# Altium PCB PCB.PcbDoc (part 1 of 3)
Units mm, origin at the board's own origin, x right, y up, seen from the top; angles counter-clockwise.
Board outline 241.05 x 164.34 mm, 2 copper layers (Top Layer, Bottom Layer); 689 components, 0 nets, 4401 pads, 0 vias.
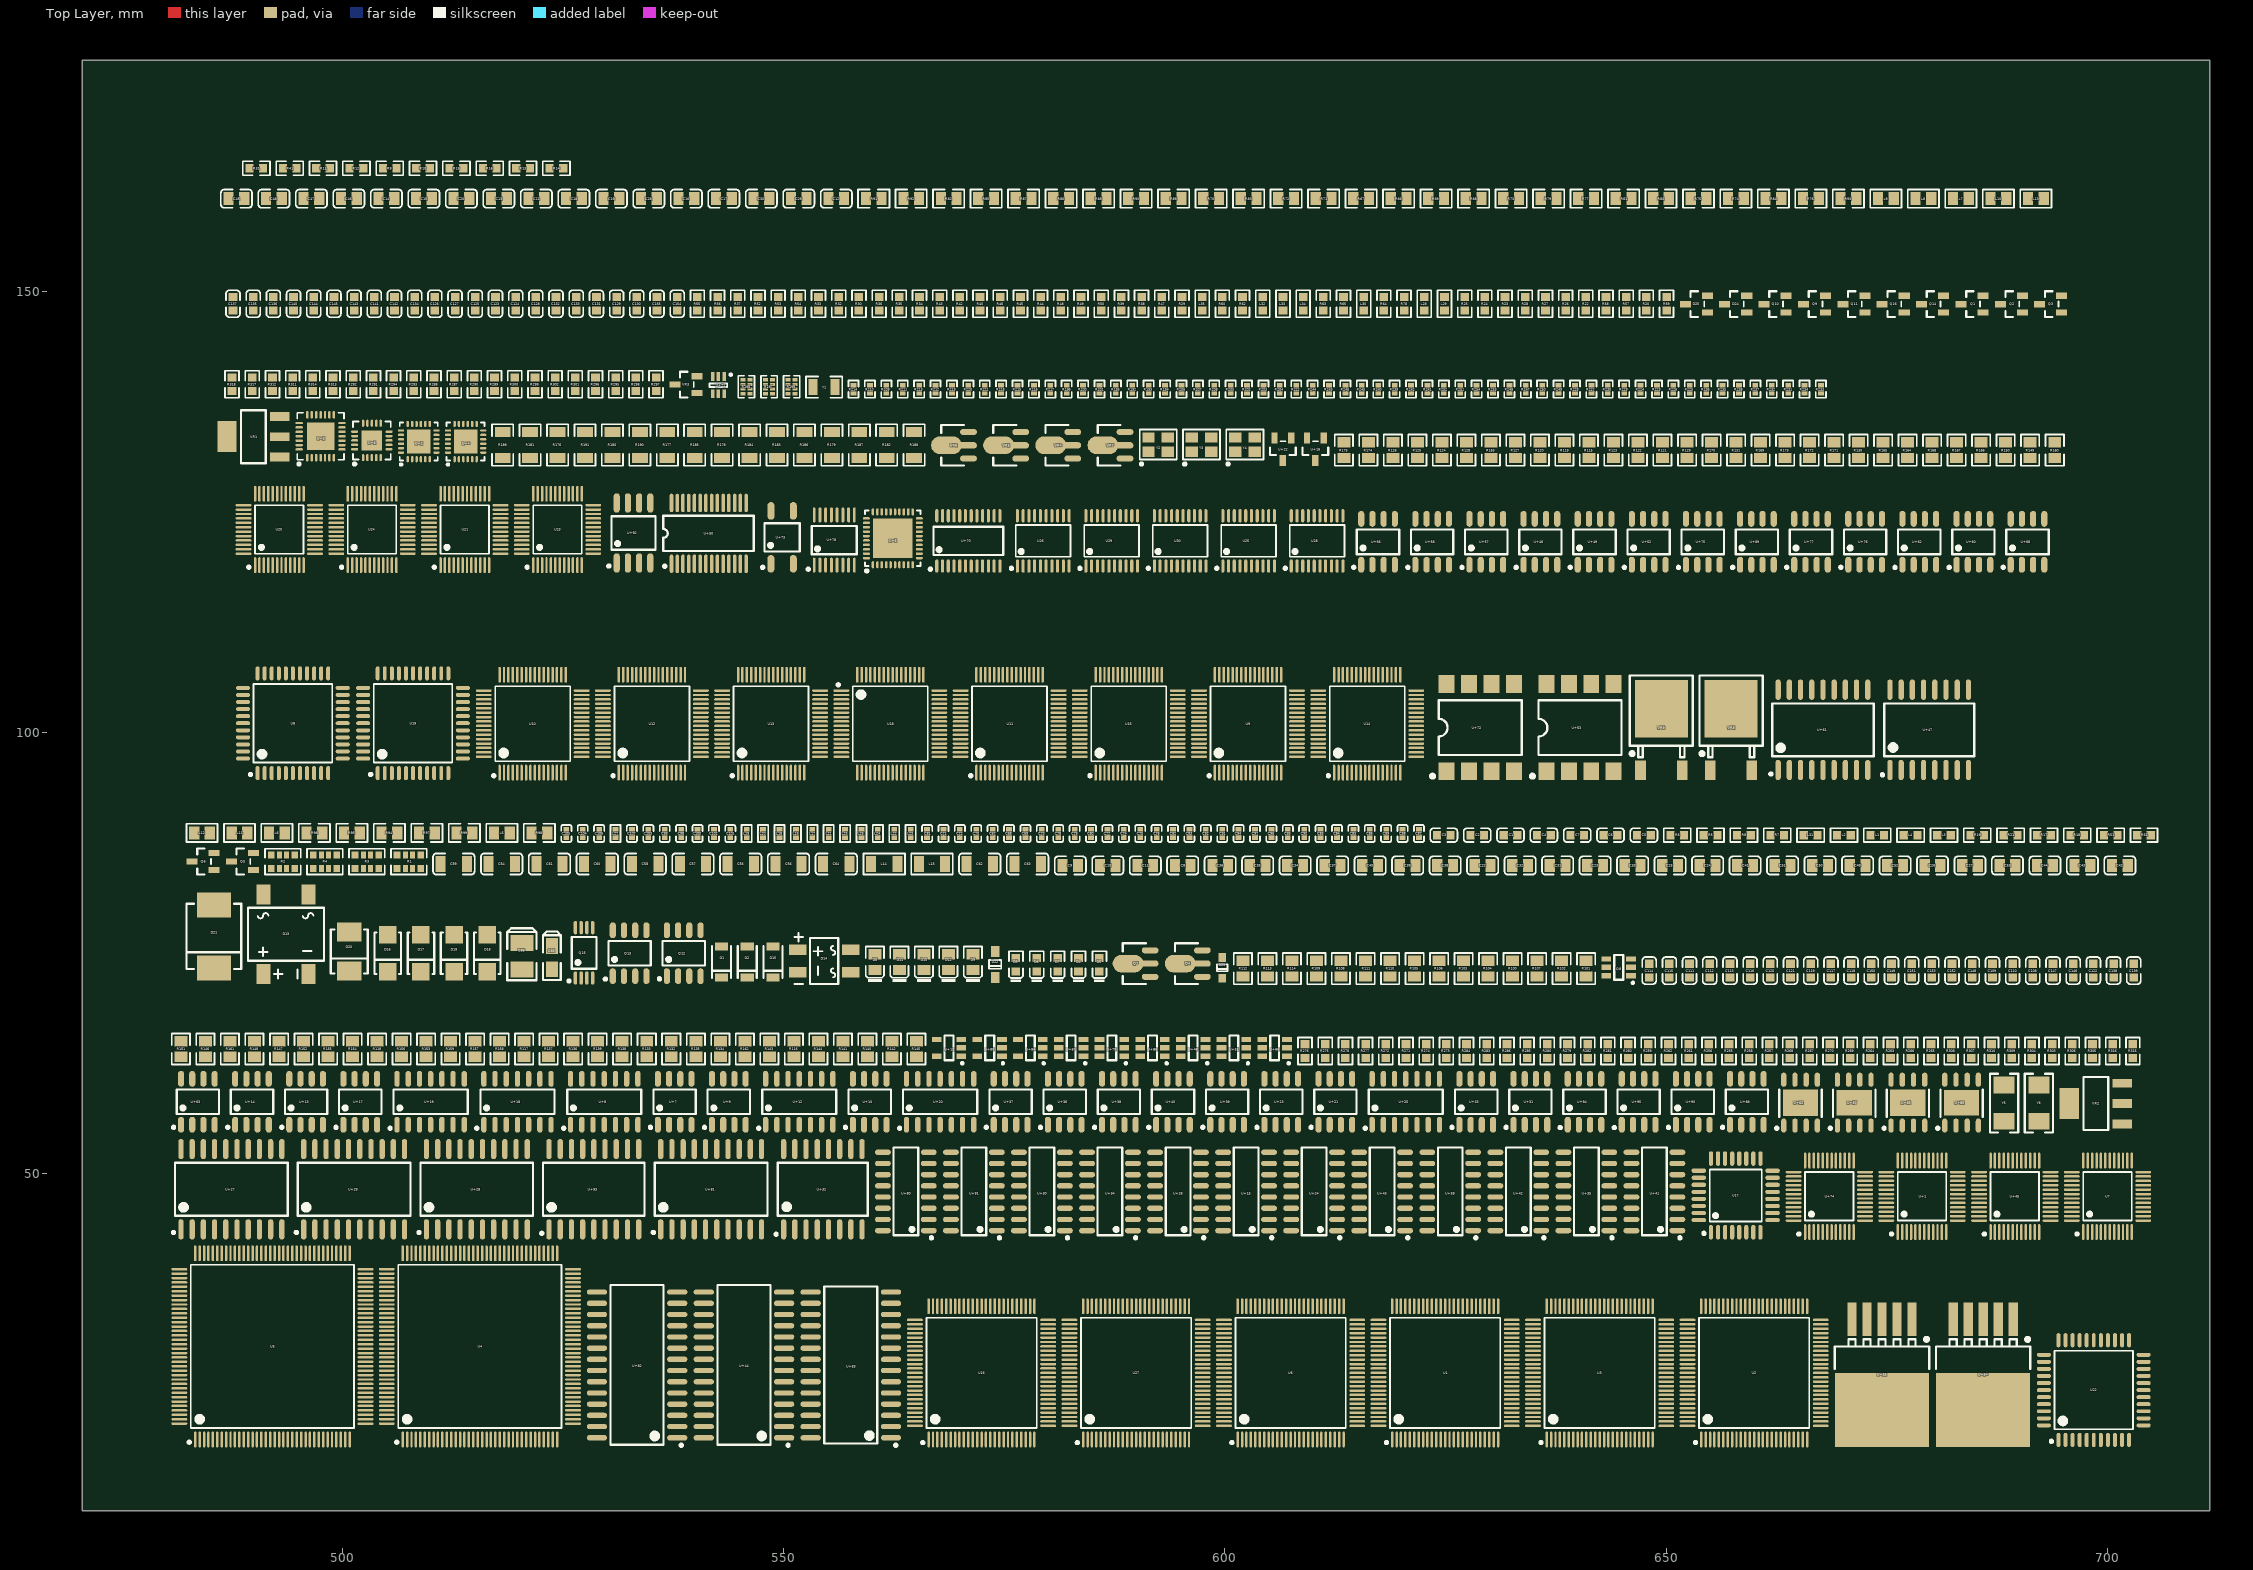
[diagram p0: Top Layer view]
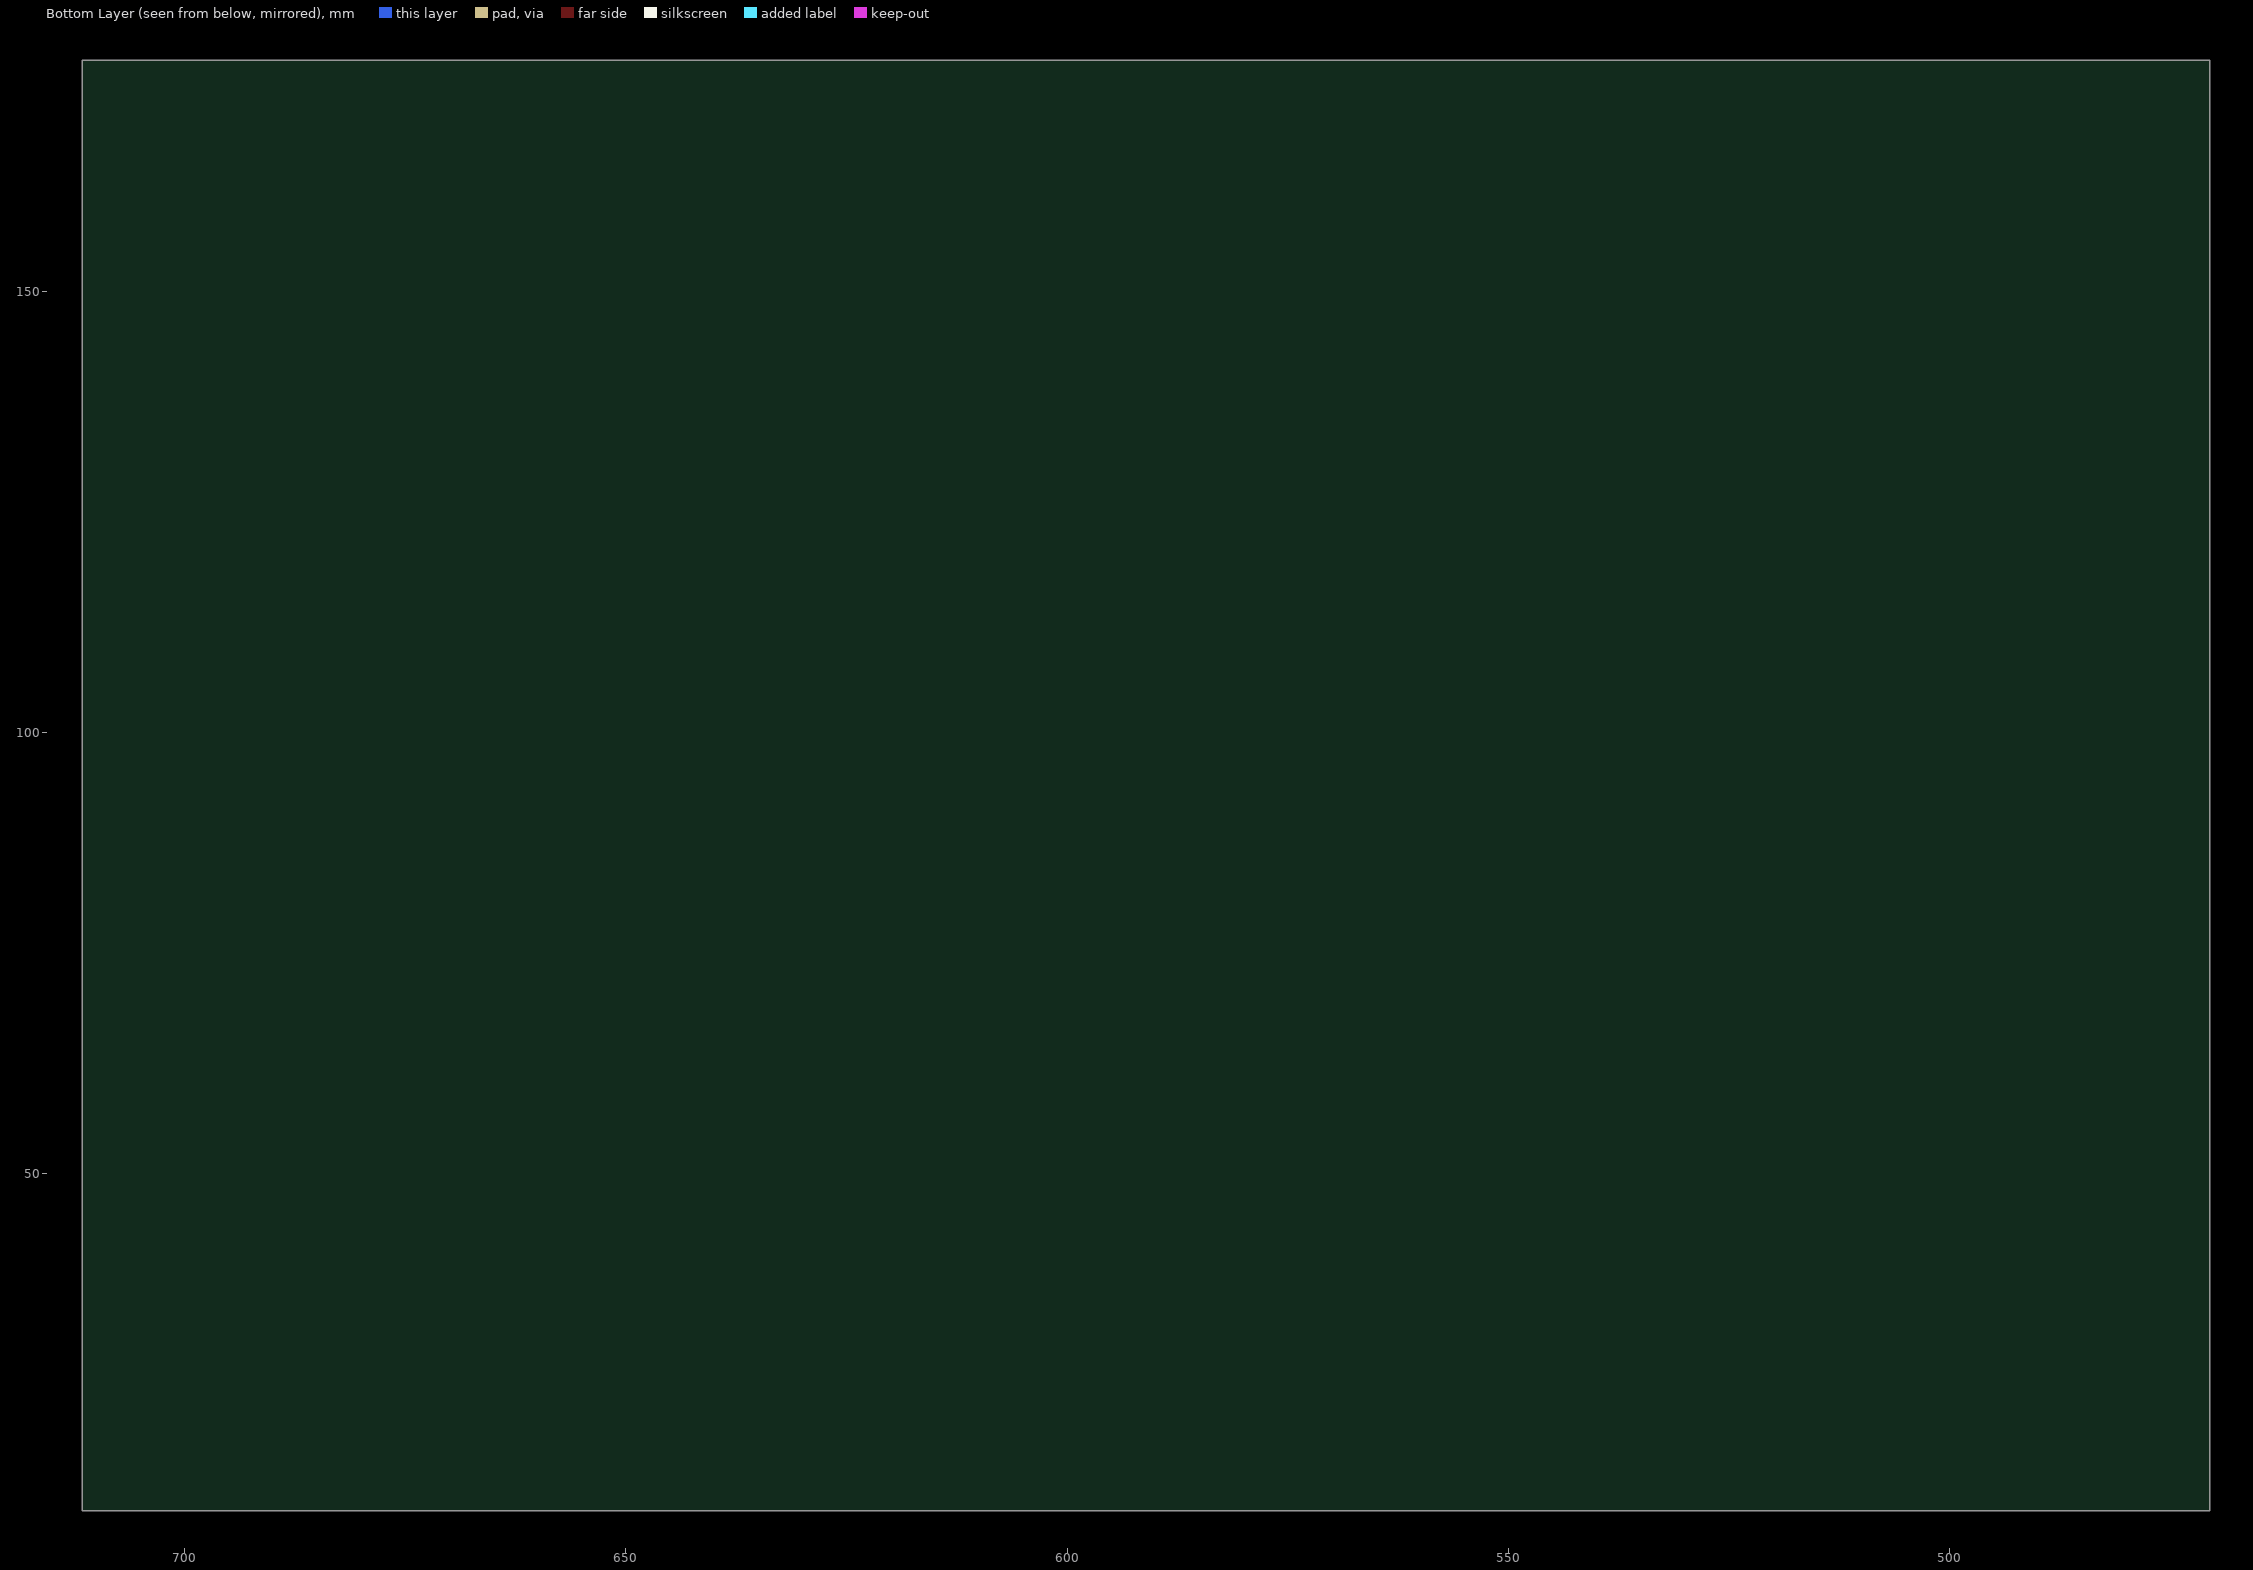
[diagram p1: Bottom Layer view, seen from below]

## Layer stack, top to bottom
Top Solder: solder mask 0.0102, Solder Resist, Dk 3.5
Top Layer: signal copper 0.0356
Dielectric 1: dielectric 0.32, FR-4, Dk 4.8
Bottom Layer: signal copper 0.0356
Bottom Solder: solder mask 0.0102, Solder Resist, Dk 3.5

## Board outline
470.535,11.811 470.535,176.149 711.581,176.149 711.581,11.811

## Design rules (kind name [scope] priority, off if disabled: settings)
Clearance [All] p1: gap=0.254
PolygonConnect [All] p1: connectstyle=Relief reliefconductorwidth=0.254 reliefentries=4 polygonreliefangle="90 Angle" airgapwidth=0.254
RoutingVias [All] p1: holewidth=0.711 width=1.27 viastyle="Through Hole" minholewidth=0.711 minwidth=1.27 maxholewidth=0.711 maxwidth=1.27
SolderMaskExpansion [All] p1: expansion=0.102
UnpouredPolygon [All] p1: allowunpoured=FALSE
Width [All] p1: maxlimit=0.254 minlimit=0.254 preferedwidth=0.254
29 further rules are at their usual default settings.

## Components (designator, comment, footprint, x,y, rotation, side; value= is the part's Value field where it differs from the comment)
C1 "680pF (681) 10% 50V" LC-0603_C 632.364,88.357 r0 top
C2 "68nF (683) 10% 50V" LC-0603_C 628.586,88.357 r0 top
C3 "68pF (680) 5% 50V" LC-0603_C 624.808,88.357 r0 top
C4 "6pF (6R0) 0.25pF 50V" LC-0603_C 636.142,88.357 r0 top
C5 "8.2nF (822) 10% 50V" LC-0603_C 647.476,88.357 r0 top
C6 "8.2pF (8R2) 0.25pF 50V" LC-0603_C 643.698,88.357 r0 top
C7 "82pF (820) 5% 50V" LC-0603_C 639.92,88.357 r0 top
C8 "1.0pF (010) 0.25pF 50V" LC-0805_C 595.221,84.92 r0 top
C9 "1.5nF (152) 10% 50V" LC-0805_C 582.477,84.92 r0 top
C10 "1.5pF (1R5) 0.25pF 50V" LC-0805_C 586.725,84.92 r0 top
C11 "100nF(104) 10% 50V" LC-0805_C 590.973,84.92 r0 top
C12 "100pF (101) 5% 50V" LC-0805_C 555.96,160.485 r0 top
C13 "10nF (103) 10% 50V" LC-0805_C 517.728,160.485 r0 top
C14 "10pF (100) 5% 50V" LC-0805_C 504.984,160.485 r0 top
C15 "10uF (106) 10% 25V" LC-0805_C 509.232,160.485 r0 top
C16 "12pF (120) 5% 50V" LC-0805_C 538.968,160.485 r0 top
C17 "150pF (151) 10% 50V" LC-0805_C 543.216,160.485 r0 top
C18 "15pF (150) 5% 50V" LC-0805_C 526.224,160.485 r0 top
C19 "18pF (180) 5% 50V" LC-0805_C 530.472,160.485 r0 top
C20 "1nF (102) 10% 50V" LC-0805_C 513.48,160.485 r0 top
C21 "1uF (105) 10% 50V" LC-0805_C 521.976,160.485 r0 top
C22 "2.0pF (2R0) 0.25pF 50V" LC-0805_C 629.205,84.92 r0 top
C23 "2.2nF (222) 5% 50V" LC-0805_C 641.95,84.92 r0 top
C24 "2.2uF (225) 20% 50V" LC-0805_C 654.694,84.92 r0 top
C25 "2.7pF (2R7) 0.25pF 50V" LC-0805_C 650.446,84.92 r0 top
C26 "200pF (201) 10% 50V" LC-0805_C 680.182,84.92 r0 top
C27 "20pF (200) 5% 50V" LC-0805_C 684.43,84.92 r0 top
C28 "220nF (224) 10% 50V" LC-0805_C 534.72,160.485 r0 top
C29 "220pF (221) 10% 50V" LC-0805_C 551.712,160.485 r0 top
C30 "22nF (223) 10% 50V" LC-0805_C 547.464,160.485 r0 top
C31 "22pF (220) 5% 50V" LC-0805_C 637.702,84.92 r0 top
C32 "22uF (226) 20% 25V" LC-0805_C 633.453,84.92 r0 top
C33 "27pF (270) 5% 50V" LC-0805_C 646.198,84.92 r0 top
C34 "3.3nF (332) 10% 50V" LC-0805_C 607.965,84.92 r0 top
C35 "30pF (300) 5% 50V" LC-0805_C 603.717,84.92 r0 top
C36 "330nF (334) 10% 50V" LC-0805_C 599.469,84.92 r0 top
C37 "330pF (331) 10% 50V" LC-0805_C 612.213,84.92 r0 top
C38 "33nF (333) 10% 50V" LC-0805_C 624.957,84.92 r0 top
C39 "33pF (330) 5% 50V" LC-0805_C 620.709,84.92 r0 top
C40 "4.7nF (472) 10% 50V" LC-0805_C 616.461,84.92 r0 top
C41 "4.7pF (4R7) 0.25pF 50V" LC-0805_C 658.942,84.92 r0 top
C42 "4.7uF (475) 10% 25V" LC-0805_C 701.422,84.92 r0 top
C43 "470nF (474) 10% 50V" LC-0805_C 697.174,84.92 r0 top
C44 "470pF (471) 10% 50V" LC-0805_C 692.926,84.92 r0 top
C45 "47nF (473) 10% 50V" LC-0805_C 487.992,160.485 r0 top
C46 "47pF (470) 5% 50V" LC-0805_C 500.736,160.485 r0 top
C47 "56pF (560) 5% 50V" LC-0805_C 496.488,160.485 r0 top
C48 "6.8nF (682) 10% 50V" LC-0805_C 492.24,160.485 r0 top
C49 "6.8pF (6R8) 0.25pF 50V" LC-0805_C 671.686,84.92 r0 top
C50 "680pF (681) 10% 50V" LC-0805_C 667.438,84.92 r0 top
C51 "68nF (683) 10% 50V" LC-0805_C 663.19,84.92 r0 top
C52 "68pF (680) 5% 50V" LC-0805_C 675.934,84.92 r0 top
C53 "6pF (6R0) 0.25pF 50V" LC-0805_C 688.678,84.92 r0 top
C54 "100nF (104) 10% 50V" LC-1206_C 518.046,85.085 r0 top
C55 "10nF (103) 10% 50V" LC-1206_C 545.136,85.085 r0 top
C56 "10uF (106) 10% 50V" LC-1206_C 550.554,85.085 r0 top
C57 "1nF (102) 10% 500V" LC-1206_C 539.718,85.085 r0 top
C58 "1uF (105) 10% 50V" LC-1206_C 534.3,85.085 r0 top
C59 "2.2uF (225) 10% 50V" LC-1206_C 512.628,85.085 r0 top
C60 "220nF (224) 10% 50V" LC-1206_C 528.882,85.085 r0 top
C61 "220pF (221) 10% 50V" LC-1206_C 523.464,85.085 r0 top
C62 "4.7uF (475) 10% 50V" LC-1206_C 572.226,85.085 r0 top
C63 "470nF (474) 10% 50V" LC-1206_C 577.644,85.085 r0 top
C64 "470pF (471) 10% 50V" LC-1206_C 555.972,85.085 r0 top
C65 "10uF (106) ±10% 16V" LC-CASE-A_3216 523.744,74.476 r90 top
C66 "100uF (107) ±10% 6.3V" LC-CASE-B_3528 520.33,74.651 r90 top
C67 "1.0uF (105) 10% 25V" LC-0402_C 573.682,88.542 r90 top
C68 "1.5nF (152) 10% 50V" LC-0402_C 575.54,88.542 r90 top
C69 "1.5pF (1R5) 0.25pF 50V" LC-0402_C 577.398,88.542 r90 top
C70 "100nF (104) 10% 16V" LC-0402_C 571.824,88.542 r90 top
C71 "100pF (101) 5% 50V" LC-0402_C 568.108,88.542 r90 top
C72 "10nF (103) 10% 50V" LC-0402_C 569.966,88.542 r90 top
C73 "10pF (100) 5% 50V" LC-0402_C 579.256,88.542 r90 top
C74 "10uF (106) 20% 6.3V" LC-0402_C 588.546,88.542 r90 top
C75 "12pF (120) 5% 50V" LC-0402_C 590.404,88.542 r90 top
C76 "150pF (151) 10% 50V" LC-0402_C 592.262,88.542 r90 top
C77 "15pF (150) 5% 50V" LC-0402_C 586.688,88.542 r90 top
C78 "18pF (180) 5% 50V" LC-0402_C 581.114,88.542 r90 top
C79 "1nF (102) 10% 50V" LC-0402_C 582.972,88.542 r90 top
C80 "1pF (1R0) 0.25pF 50V" LC-0402_C 584.83,88.542 r90 top
C81 "2.0pF (2R0) 0.25pF 50V" LC-0402_C 566.25,88.542 r90 top
C82 "2.2nF (222) 10% 50V" LC-0402_C 594.12,88.542 r90 top
C83 "2.2pF (2R2) 0.25pF 50V" LC-0402_C 614.558,88.542 r90 top
C84 "2.7pF (2R7) 0.25pF 50V" LC-0402_C 612.7,88.542 r90 top
C85 "20pF (200) 5% 50V" LC-0402_C 610.842,88.542 r90 top
C86 "220nF (224) 10% 16V" LC-0402_C 616.416,88.542 r90 top
C87 "220pF (221) 10% 50V" LC-0402_C 621.99,88.542 r90 top
C88 "22nF (223) 10% 50V" LC-0402_C 620.132,88.542 r90 top
C89 "22pF (220) 5% 50V" LC-0402_C 618.274,88.542 r90 top
C90 "27pF (270) 5% 50V" LC-0402_C 608.984,88.542 r90 top
C91 "3.3nF (332) 10% 50V" LC-0402_C 599.694,88.542 r90 top
C92 "3.3pF (3R3) 0.25pF 50V" LC-0402_C 597.836,88.542 r90 top
C93 "30pF (300) 5% 50V" LC-0402_C 595.978,88.542 r90 top
C94 "330pF (331) 5% 50V" LC-0402_C 601.552,88.542 r90 top
C95 "33nF (333) 20% 50V" LC-0402_C 607.126,88.542 r90 top
C96 "33pF (330) 5% 50V" LC-0402_C 605.268,88.542 r90 top
C97 "4.7nF (472) 10% 50V" LC-0402_C 603.41,88.542 r90 top
C98 "4.7pF (4R7) 0.25pF 50V" LC-0402_C 538.38,88.542 r90 top
C99 "4.7uF (475) 20% 10V" LC-0402_C 536.522,88.542 r90 top
C100 "470nF (474) 10% 10V" LC-0402_C 540.238,88.542 r90 top
C101 "470pF (471) 10% 50V" LC-0402_C 543.954,88.542 r90 top
C102 "47pF (470) 5% 50V" LC-0402_C 542.096,88.542 r90 top
C103 "56pF (560) 5% 50V" LC-0402_C 534.664,88.542 r90 top
C104 "6.0pF (6R0) 0.25pF 50V NPO" LC-0402_C 527.232,88.542 r90 top
C105 "6.8nF (682) 10% 50V" LC-0402_C 525.374,88.542 r90 top
C106 "6.8pF (6R8) 0.25pF 50V" LC-0402_C 529.09,88.542 r90 top
C107 "68pF (680) 5% 50V" LC-0402_C 532.806,88.542 r90 top
C108 "1.0pF (010) 0.25pF 50V" LC-0603_C 691.549,73.009 r90 top
C109 "1.2nF (122) 10% 50V" LC-0603_C 686.973,73.009 r90 top
C110 "1.5nF (152) 10% 50V" LC-0603_C 689.261,73.009 r90 top
C111 "1.5pF (1R5) 0.25pF 50V" LC-0603_C 652.653,73.009 r90 top
C112 "100nF (104) 10% 50V" LC-0603_C 654.941,73.009 r90 top
C113 "100pF (101) 5% 50V" LC-0603_C 657.229,73.009 r90 top
C114 "10nF (103) 10% 50V" LC-0603_C 648.077,73.009 r90 top
C115 "10pF (100) 5% 50V" LC-0603_C 650.365,73.009 r90 top
C116 "10uF (106) 10% 10V" LC-0603_C 659.517,73.009 r90 top
C117 "12nF (123) 10% 50V" LC-0603_C 668.669,73.009 r90 top
C118 "12pF (120) 5% 50V" LC-0603_C 670.957,73.009 r90 top
C119 "150pF (151) 10% 50V" LC-0603_C 666.381,73.009 r90 top
C120 "15nF (153) 10% 50V" LC-0603_C 661.805,73.009 r90 top
C121 "15pF (150) 5% 50V" LC-0603_C 664.093,73.009 r90 top
C122 "18pF (180) 5% 50V" LC-0603_C 698.413,73.009 r90 top
C123 "1nF (102) 10% 50V" LC-0603_C 517.343,148.574 r90 top
C124 "1uF (105) 10% 50V" LC-0603_C 519.631,148.574 r90 top
C125 "2.0pF (020) 0.25pF 50V" LC-0603_C 515.055,148.574 r90 top
C126 "2.2nF (222) 10% 50V" LC-0603_C 510.479,148.574 r90 top
C127 "2.2uF (225) 10% 16V" LC-0603_C 512.767,148.574 r90 top
C128 "2.7nF (272) 10% 50V" LC-0603_C 521.919,148.574 r90 top
C129 "2.7pF (2R7) 0.25pF 50V" LC-0603_C 531.071,148.574 r90 top
C130 "200pF (201) 10% 50V" LC-0603_C 533.359,148.574 r90 top
C131 "20pF (200) 5% 50V" LC-0603_C 528.783,148.574 r90 top
C132 "220nF (224) 10% 25V" LC-0603_C 524.207,148.574 r90 top
C133 "220pF (221) 10% 50V" LC-0603_C 526.495,148.574 r90 top
C134 "22nF (223) 10% 50V" LC-0603_C 508.191,148.574 r90 top
C135 "22pF (220) 5% 50V" LC-0603_C 489.887,148.574 r90 top
C136 "22uF (226) 20% 6.3V" LC-0603_C 492.175,148.574 r90 top
C137 "27nF (273) 20% 50V" LC-0603_C 487.599,148.574 r90 top
C138 "27pF (270) 5% 50V" LC-0603_C 700.701,73.009 r90 top
C139 "3.3nF (332) 10% 50V" LC-0603_C 702.989,73.009 r90 top
C140 "30pF (300) 5% 50V" LC-0603_C 494.463,148.574 r90 top
C141 "330nF (334) 10% 25V" LC-0603_C 503.615,148.574 r90 top
C142 "330pF (331) 5% 50V" LC-0603_C 505.903,148.574 r90 top
C143 "33nF (333) 10% 50V" LC-0603_C 501.327,148.574 r90 top
C144 "33pF (330) 5% 50V" LC-0603_C 496.751,148.574 r90 top
C145 "3pF (3R0) 0.25pF 50V" LC-0603_C 499.039,148.574 r90 top
C146 "4.7nF (472) 10% 50V" LC-0603_C 696.125,73.009 r90 top
C147 "4.7pF (4R7) 0.25pF 50V" LC-0603_C 693.837,73.009 r90 top
C148 "4.7uF (475) 10% 16V" LC-0603_C 684.685,73.009 r90 top
C149 "470nF (474) 10% 25V" LC-0603_C 675.533,73.009 r90 top
C150 "470pF (471) 10% 50V" LC-0603_C 673.245,73.009 r90 top
C151 "47nF (473) 10% 50V" LC-0603_C 677.821,73.009 r90 top
C152 "47pF (470) 5% 50V" LC-0603_C 682.397,73.009 r90 top
C153 "56pF (560) 5% 50V" LC-0603_C 680.109,73.009 r90 top
C154 "6.8nF (682) 10% 50V" LC-0603_C 537.935,148.574 r90 top
C155 "6.8pF (6R8) 0.25pF 50V" LC-0603_C 535.647,148.574 r90 top
D1 "ZMM3V3" LC-LL-34 542.957,73.976 r90 top
D2 "ZMM5V6" LC-LL-34 545.869,73.976 r90 top
D3 "白灯 0603" LC-0603_LED_S1 576.317,73.676 r90 top
D4 "红灯 0603" LC-0603_LED_S1 583.412,73.676 r90 top
D5 "绿灯 0603" LC-0603_LED_S1 585.777,73.676 r90 top
D6 "蓝灯 0603" LC-0603_LED_S1 578.682,73.676 r90 top
D7 "黄灯 0603" LC-0603_LED_S1 581.047,73.676 r90 top
D8 "白灯 0805" LC-0805_LED_S1 560.337,73.976 r90 top
D9 "红灯 0805" LC-0805_LED_S1 571.449,73.976 r90 top
D10 "翠绿 0805" LC-0805_LED_S1 565.893,73.976 r90 top
D11 "蓝灯 0805" LC-0805_LED_S1 563.115,73.976 r90 top
D12 "黄灯 0805" LC-0805_LED_S1 568.671,73.976 r90 top
D13 "DB107S" LC-DBS 493.608,77.126 r90 top
D14 "MB10S" LC-MBS 554.593,74.101 r0 top
D15 "LL4148 LL-34 1206" LC-LL-34 548.781,73.976 r90 top
D16 "M7" LC-SMA(DO-214AC)_S1 505.132,74.976 r90 top
D17 "SS210" LC-SMA(DO-214AC)_S1 508.894,74.976 r90 top
D18 "SS54" LC-SMA(DO-214AC)_S1 516.418,74.976 r90 top
D19 "US1M" LC-SMA(DO-214AC)_S1 512.656,74.976 r90 top
D20 "P6SMB6.8CA" LC-SMB(DO-214AA)_S1 500.77,75.176 r90 top
D21 "SS36-E3/57T" LC-SMC(DO-214AB)_S1 485.446,76.876 r90 top
D22 "B5819W  SL" LC-SOD-123 573.967,73.724 r90 top
D23 "1N4148WS T4" LC-SOD-323 599.698,73.324 r90 top
D24 "BAV70 A4" LC-SOT-23(SOT-23-3) 657.883,148.526 r0 top
D25 "BAV99 A7W" LC-SOT-23(SOT-23-3) 653.422,148.526 r0 top
L1 "4.7uH ±10%" LC-0603_L 673.922,88.357 r0 top
L2 "47nH" LC-0603_L 670.144,88.357 r0 top
L3 "68nH ±5% 0603" LC-0603_L 681.478,88.357 r0 top
L4 "8.2nH ±5%" LC-0603_L 677.7,88.357 r0 top
L5 "100uH ±10%" LC-0805_L 518.073,88.602 r0 top
L6 "100Ω ±25% 100MHz" LC-0805_L 492.585,88.602 r0 top
L7 "10uH ±10%" LC-0805_L 683.4,160.485 r0 top
L8 "1uH ±10%" LC-0805_L 679.152,160.485 r0 top
L9 "2.2uH ±10%" LC-0805_L 674.904,160.485 r0 top
L10 "22uH ±10%" LC-0805_L 687.648,160.485 r0 top
L11 "3.3uH±10%" LC-0805_L 488.337,88.602 r0 top
L12 "47uH ±10%" LC-0805_L 484.089,88.602 r0 top
L13 "600Ω ±25% 100MHz" LC-0805_L 691.896,160.485 r0 top
L14 "10uH ±10%" LC-1206_L 561.39,85.085 r0 top
L15 "4.7uH  ±10%" LC-1206_L 566.808,85.085 r0 top
L16 "10nH 5%" LC-0402_L 551.386,88.542 r90 top
L17 "12nH  5%" LC-0402_L 553.244,88.542 r90 top
L18 "15nH 5%" LC-0402_L 549.528,88.542 r90 top
L19 "18nH" LC-0402_L 545.812,88.542 r90 top
L20 "2.7nH 0.3nH" LC-0402_L 547.67,88.542 r90 top
L21 "27nH 5%" LC-0402_L 555.102,88.542 r90 top
L22 "3.3nH 0.3nH" LC-0402_L 562.534,88.542 r90 top
L23 "3.9nH 3%" LC-0402_L 564.392,88.542 r90 top
L24 "39nH" LC-0402_L 560.676,88.542 r90 top
L25 "4.7nH 0.3nH" LC-0402_L 556.96,88.542 r90 top
L26 "6.8nH 5%" LC-0402_L 558.818,88.542 r90 top
L27 "8.2nH 5%" LC-0402_L 530.948,88.542 r90 top
L28 "10nH ±5%" LC-0603_L 622.591,148.574 r90 top
L29 "10uH ±10%" LC-0603_L 624.879,148.574 r90 top
L30 "12nH ±5%" LC-0603_L 615.727,148.574 r90 top
L31 "22nH ±5%" LC-0603_L 666.366,88.357 r0 top
L32 "27nH ±5%" LC-0603_L 604.287,148.574 r90 top
L33 "3.9nH ±0.3nH" LC-0603_L 606.575,148.574 r90 top
L34 "33nH ±5%" LC-0603_L 608.863,148.574 r90 top
L35 "4.7nH ±0.3nH" LC-0603_L 597.423,148.574 r90 top
Q1 "2SC3356-T1B-A    S/YS档" LC-SOT-23(SOT-23-3) 684.65,148.526 r0 top
Q2 "MMBT5551  G1" LC-SOT-23(SOT-23-3) 689.111,148.526 r0 top
Q3 "SS8050 Y1" LC-SOT-23(SOT-23-3) 693.573,148.526 r0 top
Q4 "D882" LC-SOT-89(SOT-89-3) 597.438,73.801 r0 top
Q5 "MMBT5401 2L" LC-SOT-23(SOT-23-3) 488.657,85.372 r0 top
Q6 "SS8550 Y2" LC-SOT-23(SOT-23-3) 484.196,85.372 r0 top
Q7 "B772 160-320" LC-SOT-89(SOT-89-3) 591.527,73.801 r0 top
Q8 "FS8205" LC-SOT-23-6 644.627,73.374 r0 top
Q9 "2N7002 7002" LC-SOT-23(SOT-23-3) 666.805,148.526 r0 top
Q10 "AO3400A N道沟 X0YV1T SOT-23" LC-SOT-23(SOT-23-3) 662.344,148.526 r0 top
Q11 "AO3401A P道沟 X13A15 SOT-23" LC-SOT-23(SOT-23-3) 671.267,148.526 r0 top
Q12 "AO4407A" LC-SOIC-8_150mil 538.672,74.976 r0 top
Q13 "APM4953KC-TRG" LC-SOP-8_150mil 532.539,74.976 r0 top
Q14 "BSS84LT1G" LC-SOT-23(SOT-23-3) 680.189,148.526 r0 top
Q15 "FS8205A" LC-TSSOP-8_3x4.4x065P 527.381,75.025 r0 top
Q16 "SI2301CDS-T1-GE3" LC-SOT-23(SOT-23-3) 675.728,148.526 r0 top
R1 "10KΩ (103) ±5%" LC-0603_Rx4 507.54,85.355 r0 top
R2 "1KΩ (102) ±5%" LC-0603_Rx4 493.266,85.355 r0 top
R3 "4.7KΩ (472) ±5%" LC-0603_Rx4 502.782,85.355 r0 top
R4 "470Ω (471) ±5%" LC-0603_Rx4 498.024,85.355 r0 top
R5 "330KΩ (3303) ±1%" LC-0603_R 655.032,88.357 r0 top
R6 "330Ω (3300) ±1%" LC-0603_R 651.254,88.357 r0 top
R7 "33KΩ (3302) ±1%" LC-0603_R 662.588,88.357 r0 top
R8 "33Ω (33R0) ±1%" LC-0603_R 658.81,88.357 r0 top
R9 "360KΩ (3603) ±1%" LC-0603_R 505.358,163.922 r0 top
R10 "360Ω (3600) ±1%" LC-0603_R 509.136,163.922 r0 top
R11 "36KΩ (3602) ±1%" LC-0603_R 497.802,163.922 r0 top
R12 "390KΩ (3903) ±1%" LC-0603_R 501.58,163.922 r0 top
R13 "390Ω (3900) ±1%" LC-0603_R 520.47,163.922 r0 top
R14 "39KΩ (3902) ±1%" LC-0603_R 524.248,163.922 r0 top
R15 "3KΩ (3001) ±1%" LC-0603_R 512.914,163.922 r0 top
R16 "3MΩ (3004) ±1%" LC-0603_R 516.692,163.922 r0 top
R17 "4.3KΩ (4301) ±1%" LC-0603_R 692.812,88.357 r0 top
R18 "4.7KΩ (4701) ±1%" LC-0603_R 696.59,88.357 r0 top
R19 "4.7MΩ (4704) ±1%" LC-0603_R 685.256,88.357 r0 top
R20 "4.7Ω (4R70) ±1%" LC-0603_R 647.759,148.574 r90 top
R21 "4.99KΩ (4991) ±1%" LC-0603_R 689.034,88.357 r0 top
R22 "40.2KΩ (4022) ±1%" LC-0603_R 640.895,148.574 r90 top
R23 "430KΩ (4303) ±1%" LC-0603_R 631.743,148.574 r90 top
R24 "430Ω (4300) ±1%" LC-0603_R 629.455,148.574 r90 top
R25 "43KΩ (4302) ±1%" LC-0603_R 627.167,148.574 r90 top
R26 "470KΩ (4703) ±1%" LC-0603_R 638.607,148.574 r90 top
R27 "470Ω (4700) ±1%" LC-0603_R 636.319,148.574 r90 top
R28 "47KΩ (4702) ±1%" LC-0603_R 634.031,148.574 r90 top
R29 "47Ω (47R0) ±1%" LC-0603_R 595.135,148.574 r90 top
R30 "49.9KΩ (4992) ±1%" LC-0603_R 558.527,148.574 r90 top
R31 "49.9Ω (49R9) ±1%" LC-0603_R 490.246,163.922 r0 top
R32 "5.1KΩ (5101) ±1%" LC-0603_R 556.239,148.574 r90 top
R33 "5.1MΩ (5104) ±1%" LC-0603_R 553.951,148.574 r90 top
R34 "5.1Ω (5R10) ±1%" LC-0603_R 565.391,148.574 r90 top
R35 "5.6KΩ (5601) ±1%" LC-0603_R 563.103,148.574 r90 top
R36 "510KΩ (5103) ±1%" LC-0603_R 560.815,148.574 r90 top
R37 "510Ω (5100) ±1%" LC-0603_R 544.799,148.574 r90 top
R38 "51KΩ (5102) ±1%" LC-0603_R 590.559,148.574 r90 top
R39 "51Ω (51R0) ±1%" LC-0603_R 588.271,148.574 r90 top
R40 "560KΩ (5603) ±1%" LC-0603_R 572.255,148.574 r90 top
R41 "560Ω (5600) ±1%" LC-0603_R 494.024,163.922 r0 top
R42 "56KΩ (5602) ±1%" LC-0603_R 569.967,148.574 r90 top
R43 "56Ω (56R0) ±1%" LC-0603_R 567.679,148.574 r90 top
R44 "6.2KΩ (6201) ±1%" LC-0603_R 579.119,148.574 r90 top
R45 "6.8KΩ (6801) ±1%" LC-0603_R 576.831,148.574 r90 top
R46 "620KΩ (6203) ±1%" LC-0603_R 574.543,148.574 r90 top
R47 "620Ω (6200) ±1%" LC-0603_R 592.847,148.574 r90 top
R48 "62KΩ (6202) ±1%" LC-0603_R 581.407,148.574 r90 top
R49 "680KΩ (6803) ±1%" LC-0603_R 583.695,148.574 r90 top
R50 "680Ω (6800) ±1%" LC-0603_R 585.983,148.574 r90 top
R51 "68KΩ (6802) ±1%" LC-0603_R 700.368,88.357 r0 top
R52 "68Ω (68R0) ±1%" LC-0603_R 547.087,148.574 r90 top
R53 "7.5KΩ (7501) ±1%" LC-0603_R 549.375,148.574 r90 top
R54 "750KΩ (7503) ±1%" LC-0603_R 551.663,148.574 r90 top
R55 "750Ω (7500) ±1%" LC-0603_R 540.223,148.574 r90 top